# Altium PCB ARDUINO_PCB.PcbDoc (continued)
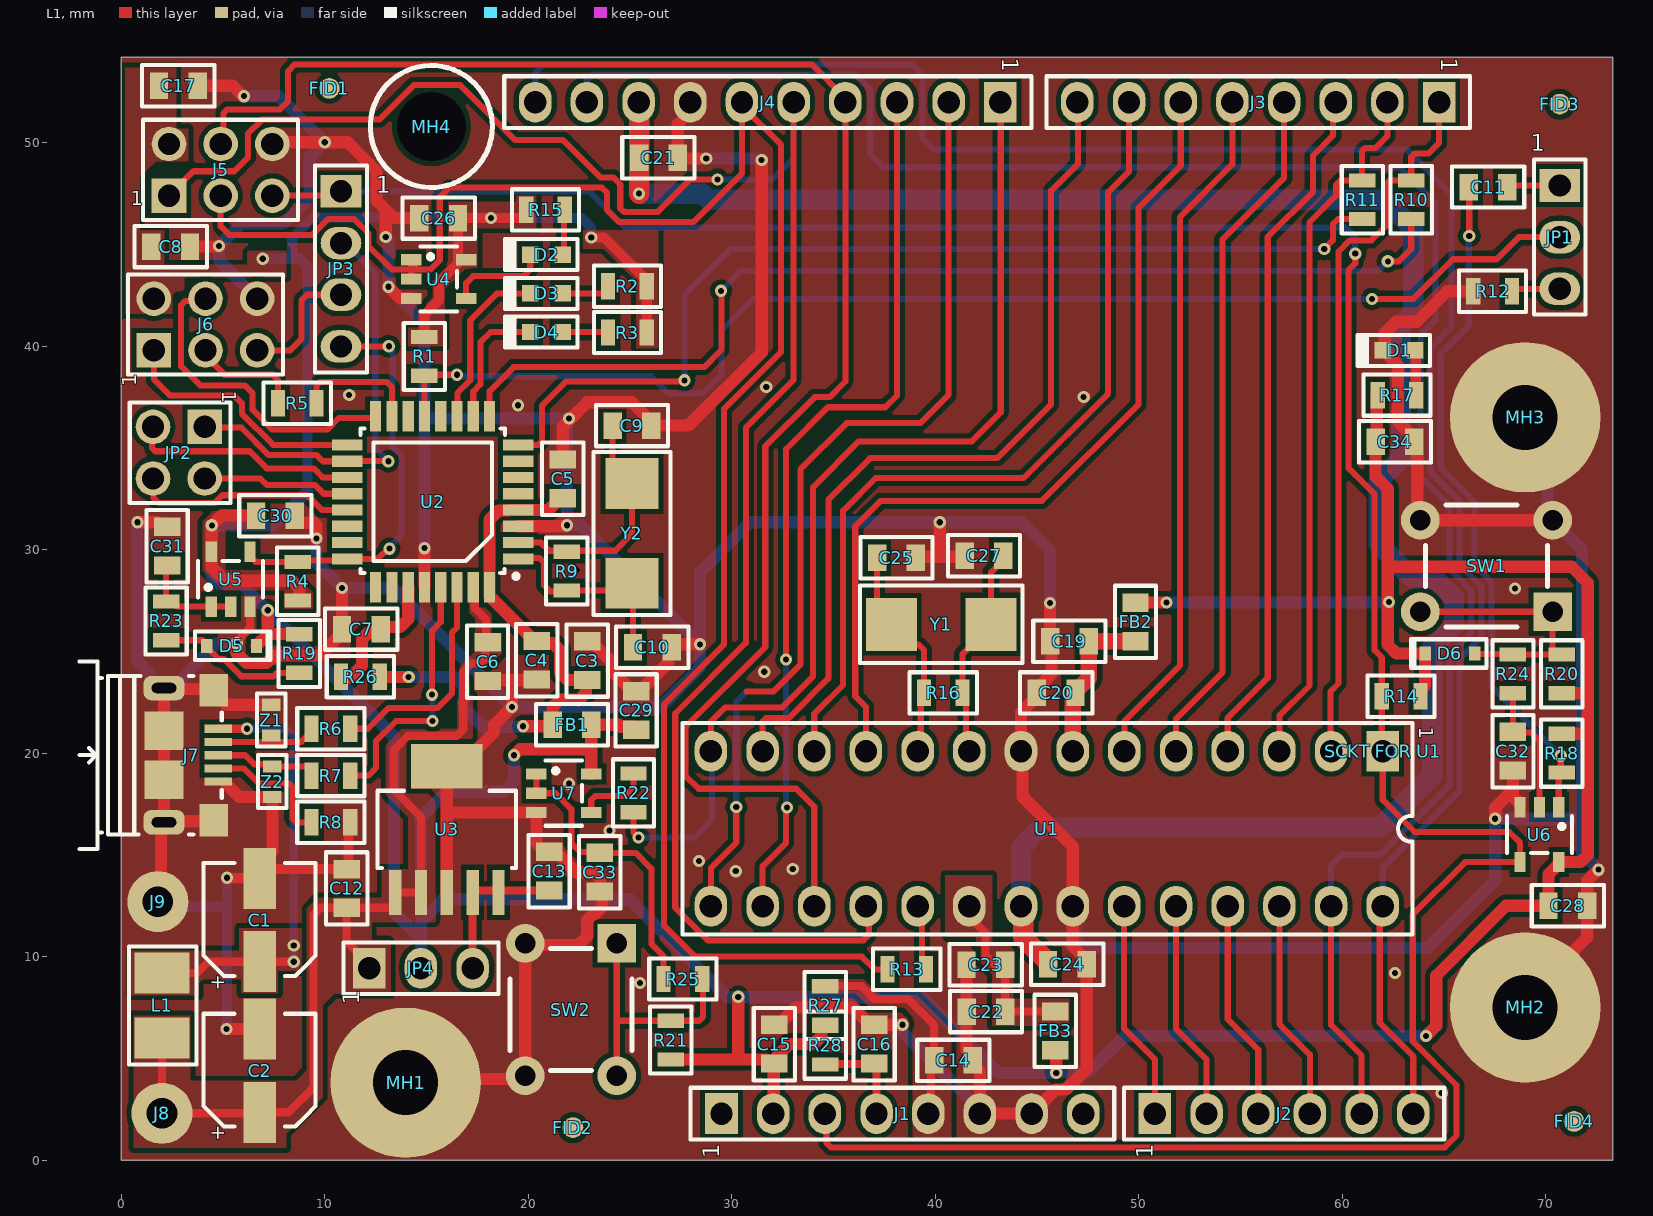
[diagram p0: L1 view]
## Part data (continued)

## Via types
v1: diameter 0.6, hole 0.3, L1 to L2, 44 vias
v2: diameter 0.6/0.6 (per signal layer), hole 0.3, L1 to L2, 29 vias
v3: diameter 0.3/0.6 (per signal layer), hole 0.3, L1 to L2, 1 vias

## Nets (pads, with @x,y where several pads share a name; then routed paths per layer and width w, separated by ;. In a path a pad name is that pad's centre, name@x,y a point inside that pad or via, vN(x,y) a via of type N, cw(c..) or ccw(c..) an arc to the next point about the centre after c; other vN are vias at no path point)
16U2_16MHz_XTAL1: C10.2 R9.1 U2.1 Y2.1 | length 10.3
  L1 w0.3: U2.1 19.55,29.6 20.55,29.6 20.782,29.368 20.782,28.243 21.075,27.95 21.85,27.95 R9.1 24.75,28 Y2.1 25.15,28.3 C10.2
16U2_16MHz_XTAL2: C9.2 R9.2 U2.2 Y2.2 | length 11.9
  L1 w0.3: U2.2 20.625,30.35 21.025,29.95 21.85,29.95 R9.2 21.95,29.95 24.275,29.95 25.1,30.775 Y2.2 24.15,34.2 C9.2
16U2_BUF_RESETn: C31.2 R23.2 U5.1 U5.2 | length 5.1
  L1 w0.3: C31.2 2.2,29.175 R23.2 2.5,27.45 2.75,27.2 U5.1 U5.2
16U2_HDR_RESETn: J6.5 JP3.3 | length 6.4
  L1 w0.3: J6.5 8.3,39.8 8.85,40.35 8.85,42.25 9.13,42.53 JP3.3
16U2_MISO: J6.1 U2.17 | length 12.6
  L1 w0.3: J6.1 1.6,38.375 2.4,37.575 5.55,37.575 5.925,37.2 5.925,36.689 7.464,35.15 U2.17
16U2_MOSI: J6.4 U2.16 | length 15.9
  L1 w0.3: J6.4 4.025,42.225 3.15,42.225 2.94,42.015 2.94,39.01 3.875,38.075 6.075,38.075 6.45,37.7 6.45,36.871 7.421,35.9 10.125,35.9 10.7,36.475 12.425,36.475 U2.16
16U2_PB4: JP2.1 JP3.2 U2.18 | length 21.5
  L1 w0.3: JP2.1 4.14,36 5.907,36 7.257,34.65 9.6,34.65 9.9,34.35 U2.18 11.112,34.363 13.112,34.363 v1(13.125,34.35)
  L2 w0.3: JP3.2 11,45.07 12.484,43.586 12.484,34.991 v1(13.125,34.35)
16U2_PB5: JP2.3 U2.19 | length 11.3
  L1 w0.3: JP2.3 1.5,35.98 1.5,35.016 1.676,34.84 6.31,34.84 7.15,34 9.45,34 9.9,33.55 U2.19
16U2_PB6: JP2.2 U2.20 | length 7.3
  L1 w0.3: JP2.2 6.839,33.5 7.164,33.175 9.525,33.175 9.95,32.75 U2.20
16U2_PB7: JP2.4 U2.21 | length 11
  L1 w0.3: JP2.4 1.575,33.485 1.575,32.55 1.825,32.3 4.597,32.3 4.972,32.675 9.15,32.675 9.875,31.95 U2.21
16U2_RESETn: JP3.4 R4.1 U2.24 U5.4 | length 20.3
  L1 w0.3: U5.4 6.325,29.675 6.6,29.4 R4.1 8.75,29.475 11.025,29.475 U2.24 12.614,29.55 13.114,30.05 v1(13.175,30.05) ; JP3.4 13.14,39.99 v1(13.15,40)
  L2 w0.3: v1(13.15,40) 13.15,39.919 13.325,39.744 13.325,35.069 13.775,34.619 13.775,30.731 13.175,30.131 v1(13.175,30.05)
16U2_RX_LED: D4.1 U2.10 | length 6.5
  L1 w0.3: U2.10 17.3,37.774 17.65,38.124 17.65,40.2 18.15,40.7 D4.1
16U2_RXD: R11.1 U2.8 | length 50.1
  L1 w0.3: U2.8 20.499,35.15 20.675,35.326 20.675,37.075 21.875,38.275 27.625,38.275 v1(27.675,38.325) ; v1(59.125,44.775) 59.55,45.2 59.55,46 59.8,46.25 R11.1
  L2 w0.3: v1(27.675,38.325) 27.675,42.525 29.925,44.775 v1(59.125,44.775)
16U2_SCLK: J6.3 R5.2 | length 5.5
  L1 w0.3: J6.3 4.14,39.535 5.075,38.6 7.45,38.6 7.7,38.35 R5.2
16U2_SCLK_R: R5.1 U2.15 | length 6.2
  L1 w0.3: R5.1 9.6,38.074 9.776,38.25 13.05,38.25 13.174,38.126 13.3,38 U2.15
16U2_TX_LED: D3.1 U2.11 | length 8.5
  L1 w0.3: U2.11 16.525,36.575 16.525,37.706 17.15,38.331 17.15,41.28 18.47,42.6 D3.1
16U2_TXD: R10.1 U2.9 | length 52.6
  L1 w0.3: U2.9 18.1,37.787 19.288,38.975 28.644,38.975 29.5,39.831 29.5,42.7 v1(29.475,42.725) ; v1(62.25,44.175) 62.787,44.175 63.4,44.787 R10.1
  L2 w0.3: v1(29.475,42.725) 30.45,43.7 61.775,43.7 v1(62.25,44.175)
16U2PROG_328P_RESETn: JP1.2 R1.1 U2.13 | length 62.7
  L1 w0.3: U2.13 R1.1 14.95,38.6 v1(16.5,38.6) ; v1(61.475,42.325) 63.503,42.325 65.453,44.275 67.6,44.275 68.685,45.36 JP1.2
  L2 w0.3: v1(16.5,38.6) 16.575,38.525 26.025,38.525 26.875,37.675 28.575,37.675 29.5,38.6 29.5,40.775 31.05,42.325 v1(61.475,42.325)
328P_16MHz_XTAL1: C27.2 R16.1 U1.9 Y1.1 | length 10.6
  L1 w0.3: U1.9 41.515,20.265 41.515,22.795 R16.1 41.35,24.881 42.75,26.281 Y1.1 42.75,28.9 43.35,29.5 C27.2
328P_16MHz_XTAL2: C25.2 R16.2 U1.10 Y1.2 | length 10.8
  L1 w0.3: C25.2 37.15,27.031 Y1.2 38.831,25.35 39.175,25.35 39.45,25.075 R16.2 39.295,22.805 39.295,20.255 U1.10
328P_AUTORESETn: C11.1 R18.1 U6.1 | length 33.6
  L1 w0.3: C11.1 66.25,47.8 v1(66.25,45.425) ; U6.1 70.65,18.9 R18.1 70.75,19.1 v1(70.75,19.875)
  L2 w0.3: v1(66.25,45.425) 66.225,45.4 66.225,41 64.85,39.625 64.85,34.014 66.5,32.364 66.5,29.25 67.35,28.4 67.35,23.275 v1(70.75,19.875)
328P_BUF_RESETn: C32.2 R24.2 U6.2 | length 6.6
  L1 w0.3: R24.2 C32.2 68.425,21.025 69.275,21.025 69.7,20.6 U6.2
328P_RESETn: J1.3 J5.5 JP3.1 R14.1 U1.1 U6.4 | length 142.2
  L1 w0.3: J5.5 10.59,47.4 JP3.1 ; J1.3 34.664,2.202 34.664,0.836 34.875,0.625 65.05,0.625 65.625,1.2 65.625,3.681 63.475,5.831 63.475,12.075 66.05,14.65 U6.4 68.75,15.6 68.225,16.125 63.575,16.125 62,17.7 U1.1 61.95,20.15 R14.1 61.95,24.706 61.6,25.056 61.6,32.725 60.65,33.675 60.325,34 60.325,43.75 60.65,44.075 v1(60.65,44.55)
  L2 w0.3: JP3.1 22.99,47.61 24.775,45.825 60.175,45.825 60.625,45.375 60.625,44.575 v1(60.65,44.55)
+3V3: C13.2 C16.2 J1.4 JP4.3 R28.2 U3.4 U3.5 | length 12.5
  L1 w0.4: JP4.3 17.268,9.428 17.268,13.152 U3.4 17.366,13.25 C13.2 ; R28.2 34.625,4.725 36.975,4.725 C16.2 37.12,4.63 J1.4
+3V3_16U2_UCAP: C7.2 R26.1 U2.27 | length 6.9
  L1 w0.6: R26.1 10.825,23.725 11.249,23.725 11.825,24.301 11.825,25.599 12.176,25.95 12.6,25.95 C7.2 12.75,26.05 12.9,26.2 13.7,26.2 14.1,26.6 U2.27
+5V: C2.1 C6.2 C12.2 C14.2 J1.5 J8.1 JP4.1 L1.2 R27.1 U2.31 U3.1 U3.2 | length 59.7
  L1 w0.4: L1.2 J8.1 6.75,2.3 C2.1 8.225,2.35 9.45,3.575 9.45,12.05 9.802,12.402 C12.2 ; JP4.1 12.185,9.625 11.075,10.735 C12.2 ; U2.31 17.375,28.075 17.375,27.125 17.925,26.575 17.925,25.375 17.875,25.325 17.875,24.634 17.641,24.4 17.184,24.4 16.807,24.023 16.807,21.171 16.491,20.854 14.084,20.854 13.742,20.512 13.742,20.508 13.4,20.166 13.4,18.2 14.73,16.87 U3.2 U3.1 13.46,12.502 13.36,12.402 C12.2 ; R27.1 36.375,8.55 37,7.925 38.675,7.925 39.95,6.65 C14.2 39.805,4.755 39.805,2.431 J1.5
+5V/3V3: C8.2 C15.2 C17.2 C26.2 C28.2 C29.2 C30.2 C34.2 D5.1 D6.1 FB1.1 FB2.1 FB3.1 J1.2 J5.2 J6.2 JP4.2 R1.2 R2.2 R3.2 R4.2 R14.2 R15.2 R17.2 R18.2 R19.2 R20.2 R21.2 R27.2 R28.1 U4.5 U5.5 U6.5 U7.5 | length 252.9
  L1 w0.5: R1.2 14.9,41.55 15.612,42.262 15.612,43.138 U4.5@16.55,44.075 ; U4.5 16.725,44.25 U4.5@16.55,44.075 ; R15.2 19.9,46.4 19.8,46.3 v2(18.175,46.3) C26.2 U4.5@16.55,44.075 ; v1(23.1,45.35) 23.725,45.35 25.825,43.25 R2.2 R3.2
  L1 w0.6: C30.2 4.926,31.675 v2(4.45,31.199) 4.45,29.925 U5.5 4.45,29.875 4.45,29.15 5.125,28.475 8.399,28.475 8.75,28.124 8.75,27.55 8.7,27.5 R4.2 ; D5.1 6.644,25.297 7.197,25.85 ; v1(7.2,27.025) 7.2,25.853 7.197,25.85 ; R19.2 7.197,25.85 ; v1(19.3,19.9) 19.591,20.191 23.1,20.191 ; U7.5 23.1,20.191 ; C29.2 25.15,21.3 24.55,21.3 24.45,21.4 FB1.1 23.1,20.191 ; R21.2 30.275,4.95 ; v1(30.325,8.025) 30.325,5 30.275,4.95 ; C15.2@32.03,4.82 31.93,4.72 31.7,4.95 30.275,4.95 ; J1.2 32.07,2.316 C15.2@32.07,4.72 ; C15.2 32.2,4.85 32.2,5.074 32.826,5.7 34.024,5.7 34.4,6.076 34.4,6.6 34.45,6.65 R27.2 ; FB3.1 45.824,5.324 45.95,5.198 v1(45.95,4.275) ; FB2.1 v1(51.375,27.4) ; R17.2 61.7,37.55 61.7,35.35 C34.2 61.65,33.594 62.25,32.994 62.25,29.16 ; R14.2 63.85,23.1 64.081,23.331 D6.1 62.675,24.9 62.25,25.325 62.25,29.16 ; v1(64.125,6.1) 64.625,6.6 64.625,9.065 68.06,12.5 C28.2 70.15,14.05 70.55,14.45 70.625,14.45 70.65,14.475 U6.5 71.724,14.65 72.075,15.001 72.075,20.925 ; R18.2 72.05,20.95 72.075,20.925 ; R20.2 72,22.95 72.075,23.025 ; 62.25,29.16 71.285,29.16 72.075,28.369 72.075,23.025 ; 72.075,20.925 72.075,23.025
  L2 w0.5: v1(6.95,44.3) 8.4,44.3 ; 9.15,32.875 9.15,43.925 8.775,44.3 8.4,44.3 ; v2(18.175,46.3) 18.225,46.3 22.625,46.3 23.081,45.844 23.081,45.369 v1(23.1,45.35) ; v2@18.205,46.32 9.4,46.32 8.4,45.32 8.4,44.3
  L2 w0.6: 9.15,32.875 7.474,31.199 v2(4.45,31.199) 4.45,28.676 4.801,28.325 5.9,28.325 v1(7.2,27.025) 13.4,20.825 13.4,12.2 14.725,10.875 ; JP4.2 14.725,9.851 14.725,10.875 ; v1(19.3,19.9) 19.3,18.625 18.775,18.1 15.975,18.1 14.725,16.85 14.725,11.725 ; v1@30.325,8 39.375,8 43.1,4.275 v1(45.95,4.275) ; v1(30.325,8.025) 30.3,8 29.8,8 24.975,12.825 15.825,12.825 14.725,11.725 ; v1@46,4.325 47.55,4.325 49.325,6.1 v1(64.125,6.1) ; v1(51.375,27.4) 62.275,27.4 v1(62.3,27.425) ; 14.725,10.875 14.725,11.725
+5V/3V3_16U2: C3.2 C4.2 C5.2 FB1.2 R26.2 U2.4 U2.32 | length 28.7
  L1 w0.6: R26.2 v1(14.125,23.75) ; v1(19.75,21.325) 21.125,21.325 FB1.2 21.2,22.274 21.551,22.625 22.449,22.625 22.474,22.6 22.825,22.951 22.825,23.525 C3.2 21.915,23.6 21.564,23.951 21.564,25.049 21.212,25.4 20.531,25.4 C4.2 20.214,25.518 20.064,25.668 20.064,25.761 18.1,27.725 U2.32 18.1,31.482 18.543,31.925 19.05,31.925 19.075,31.95 20.999,31.95 21.35,32.301 21.35,32.383 21.5,32.533 C5.2
  L2 w0.6: v1(14.125,23.75) 16.375,23.75 16.85,23.275 16.85,22.225 17.775,21.3 19.725,21.3 v1(19.75,21.325)
+5V/3V3_328P_AVCC: C22.2 C23.2 FB3.2 U1.20 | length 8.7
  L1 w0.4: U1.20 41.68,11.955 42.475,11.16 42.475,10.059 42.984,9.55 43.39,9.55 C23.2 43.445,9.595 43.445,7.305 C22.2 FB3.2
+5V/3V3_328P_VCC: C19.2 C20.2 FB2.2 U1.7 | length 8.1
  L1 w0.8: U1.7 46.76,22.62 46.9,22.76 C20.2 46.9,23.16 46.95,23.21 47.081,23.21 47.55,23.679 C19.2 FB2.2
+5V_USB: C1.1 J7.1 L1.1 | length 21.6
  L1 w0.4: L1.1 3.725,9.2 4.275,9.75 C1.1 v1(8.475,9.75) ; J7.1 5.95,21.2 v2(6.175,21.2)
  L2 w0.4: v2(6.175,21.2) 8.125,21.2 8.475,20.85 v2(8.475,10.55) v1(8.475,9.75)
+AREF: C21.2 C24.2 J4.8 U1.21 | length 101.4
  L1 w1: J4.8@25.413,51.988 25.45,51.95 C21.2 v1(25.45,47.5) ; U1.21 44.335,12.365 44.335,10.935 45.55,9.72 C24.2
  L2 w1: v1(25.45,47.5) 28.586,47.5 28.886,47.2 62.075,47.2 63.5,45.775 63.5,41.625 62.9,41.025 62.9,34.5 61.8,33.4 61.8,30.26 63.46,28.6 64.533,28.6 65.5,27.633 65.5,26.267 64.425,25.192 64.425,18.902 61.873,16.35 45.2,16.35 44.22,15.37 U1.21
AD0: J2.1 U1.23 | length 10.8
  L1 w0.3: U1.23 49.275,12.455 49.275,6.475 50.8,4.95 J2.1
AD1: J2.2 U1.24 | length 10.8
  L1 w0.3: U1.24 51.84,6.435 53.34,4.935 J2.2
AD2: J2.3 U1.25 | length 10.8
  L1 w0.3: U1.25 54.38,6.92 55.88,5.42 J2.3
AD3: J2.4 U1.26 | length 10.8
  L1 w0.3: U1.26 56.92,6.68 58.42,5.18 J2.4
"AD4 / SDA": J2.5 J4.9 U1.27 | length 98.1
  L1 w0.3: U1.27 59.46,6.64 60.96,5.14 J2.5
  L2 w0.3: J4.9 22.875,52.01 22.875,53.075 23.15,53.35 36.075,53.35 36.174,53.251 36.812,52.613 36.812,49.438 37.45,48.8 62.825,48.8 64.6,47.025 64.6,41.3 63.85,40.55 63.85,33.6 65.275,32.175 65.275,29.061 65.675,28.661 66.35,27.986 66.35,25.914 65.675,25.239 65.275,24.839 65.275,18.425 61.875,15.025 60.001,15.025 59.46,14.484 U1.27
"AD5 / SCI": J2.6 J4.10 U1.28 | length 100.5
  L1 w0.3: U1.28 61.85,12.33 61.85,6.749 63.5,5.099 J2.6
  L2 w0.3: J4.10 20.345,53.45 20.745,53.85 38.85,53.85 39.375,53.325 39.375,50.225 39.925,49.675 63.175,49.675 65.375,47.475 65.375,40.95 64.35,39.925 64.35,33.807 65.775,32.382 65.775,29.268 66.85,28.193 66.85,25.707 65.775,24.632 65.775,18.15 62,14.375 U1.28
BUTTON_RESETn: D6.2 R20.1 R24.1 SW1.1 SW1.2 | length 13
  L1 w0.3: SW1.2 SW1.1 70.35,25.05 R20.1@70.55,24.85 ; D6.2 66.544,24.875 68.375,24.875 R24.1 R20.1@70.55,24.85 ; R20.1 R20.1@70.55,24.85
CON_USB_N: J7.2 R6.1 Z1.2 | length 4.9
  L1 w0.3: J7.2 8.85,20.55 9.35,21.05 R6.1
CON_USB_P: J7.3 R7.1 Z2.2 | length 5.3
  L1 w0.3: J7.3 6.082,19.9 6.525,19.457 Z2.2@7.093,19.457 ; Z2.2@7.2,19.35 Z2.2@7.093,19.457 ; R7.1 9.35,19.15 9.15,19.35 Z2.2 7.318,19.457 Z2.2@7.093,19.457
GND: C1.2 C2.2 C3.1 C4.1 C5.1 C6.1 C7.1 C8.1 C9.1 C10.1 C12.1 C13.1 C14.1 C15.1 C16.1 C17.1 C19.1 C20.1 C21.1 C22.1 C23.1 C24.1 C25.1 C26.1 C27.1 C28.1 C29.1 C30.1 C31.1 C32.1 C33.1 C34.1 D1.1 J1.6 J1.7 J4.7 J5.6 J6.6 J7.5 J7.6 J7.7 J7.8 J7.9 J7.10 J7.11 J9.1 MH1.1 MH2.1 MH3.1 R8.2 R12.1 SW1.3 SW1.4 SW2.3 SW2.4 U1.8 U1.22 U2.3 U2.28 U3.3 U3.6 U4.3 U5.3 U6.3 U7.3 Z1.1 Z2.1 | length 426.3
  L1 w0.4: v2(5.675,25.4) 5.713,25.438 5.713,25.532 6.325,26.144 U5.3
  L1 w0.5: J7.7@4.5,16.65 J7.7 J7.7@4.663,16.812 ; v2(5.2,13.875) 5.225,13.85 C1.2 7.252,14.302 C12.1 11.162,14.389 11.162,16.512 R8.2
  L1 w0.6: v2(0.8,31.35) 1.775,31.35 2.125,31 C31.1 ; J9.1 1.95,12.85 1.95,16.45 J7.9 ; C8.1 4.775,44.9 v1(4.8,44.925) ; C17.1 5.475,52.8 5.985,52.29 v1(6.025,52.29) ; J7.7@4.5,16.65 2.15,16.65 J7.9 ; J7.5@5.15,18.5 5.8,17.85 Z2.1 7.425,15.175 6.8,14.55 C1.2 ; v2(5.175,6.45) C2.2 ; v2(5.675,25.4) 5.675,24.915 6.158,24.432 7.131,24.432 7.499,24.8 9.75,24.8 10.85,25.9 C7.1 v2(10.85,28.125) ; Z1.1 5.175,22.375 4.55,23 J7.6 4.5,23.15 2.15,23.15 J7.8 J7.10 J7.11 J7.9 ; J5.6 7.51,50.025 v1(10,50.025) 11.125,50.025 12.55,48.6 12.55,47.15 13,46.7 ; C30.1 8.525,31.475 8.675,31.325 9.475,31.325 9.6,31.2 v2(9.6,30.55) ; v1(13,45.375) 13,46.7 ; v1(13.134,42.925) 13.684,42.375 14.225,42.375 U4.3 ; MH1.1 14.14,3.98 19.68,3.98 SW2.4 SW2.3 19.925,10.575 22.474,10.575 22.9,11.001 22.9,11.807 23.193,12.1 23.299,12.1 23.65,12.451 23.65,13.061 C33.1 23.55,13.239 23.55,13.799 23.199,14.15 22.361,14.15 21.511,15 21.175,15 C13.1 20.825,15.15 20.4,15.575 U7.3 16.107,17.082 16,16.975 ; C26.1 13.4,46.3 13,46.7 ; U2.28 v2(14.9,30.075) ; U3.3 16,16.975 ; C6.1 18.034,23.584 19.207,23.584 ; U2.3 21.85,31.15 v1(21.9,31.2) ; C4.1 20.38,23.584 19.207,23.584 ; C5.1 21.7,36.05 22.05,36.4 22.9,37.25 25.1,37.25 26.05,36.3 C9.1 27.881,36.1 31.475,39.694 v1(31.475,49.15) ; C3.1 23.1,25.5 24.1,24.5 24.1,24.05 25.1,23.05 C29.1 25.5,23.05 26.9,24.45 26.9,25.05 C10.1 27.2,25.35 v1(28.45,25.35) ; J4.7 27.965,51.529 27.35,50.914 C21.1 27.385,49.225 v1(28.75,49.225) ; C15.1 32.3,6.65 33.15,7.5 35.95,7.5 36.8,6.65 C16.1 v2(38.4,6.65) v2@38.425,6.675 ; C25.1 39.1,29.65 40.25,29.65 ; v1(40.225,31.35) 40.225,29.675 40.25,29.65 ; C27.1 41.4,29.65 40.25,29.65 ; C23.1 41.54,5.41 41.85,5.1 C14.1 41.85,4.7 42.2,4.35 J1.6 J1.7 45.929,3.475 46.431,3.475 46.742,3.786 46.761,3.786 47.45,4.475 C24.1 47.45,9.82 46.76,10.51 U1.22 46.76,15.415 44.3,17.875 44.3,20.02 U1.8 44.22,22 44.83,22.61 44.85,22.61 45,22.76 C20.1 45,23.16 45.725,23.885 45.725,25.425 C19.1 v1(45.65,27.375) ; R12.1 65.175,42.7 63.675,41.2 62.65,41.2 62.1,40.65 62.1,39.9 D1.1 62.75,39.05 62.75,36.3 63.55,35.5 C34.1 63.575,35.325 63.575,35.475 63.7,35.35 63.7,31.6 SW1.4 SW1.3 ; v2(67.525,16.775) 67.525,17.325 68.4,18.2 ; C32.1 68.4,18.2 ; U6.3 68.75,17.525 68.4,17.875 68.4,18.2 ; MH2.1 69,7.9 72.05,10.95 C28.1 72.05,13.725 v2(72.6,14.275) ; 16,16.975 U3.6 16.65,19.354 18.325,21.029 18.325,21.4 v2(19.2,22.275) 19.207,22.282 19.207,23.584
  L2 w0.5: J9.1@1.852,12.752 J9.1 2.05,12.45 5.188,12.45 ; v2(5.175,6.45) 5.188,6.462 5.188,12.45 ; v2(5.2,13.875) 5.188,13.862 5.188,12.45
  L2 w0.6: v2(0.8,31.35) 0.775,31.375 0.775,24.525 1.437,23.863 1.437,23.495 1.732,23.2 J7.8 2.5,23.2 4.7,25.4 v2(5.675,25.4) ; v1(6.025,52.29) 7.735,52.29 v1(10,50.025) 9.25,49.275 9.25,47.316 7.984,46.05 5.925,46.05 v1(4.8,44.925) 4.8,44.22 J6.6 ; v2(9.6,30.55) 9.6,29.375 v2(10.85,28.125) 13.35,28.125 v2(19.2,22.275) 26.5,22.275 28.45,24.225 v1(28.45,25.35) ; v1(13,45.375) 13.134,45.241 v1(13.134,42.925) 14.9,41.159 14.9,36.475 ; v2(14.9,30.075) 14.9,36.475 ; v1(28.75,49.225) 31.4,49.225 v1(31.475,49.15) ; v2(38.4,6.65) 38.4,6.286 42.2,2.486 J1.6 ; v1(45.65,27.375) 45.65,29.95 44.25,31.35 v1(40.225,31.35) 30.9,31.35 28.45,28.9 v1(28.45,25.35) ; U1.22 46.949,12.291 46.949,10.776 47.3,10.425 64.2,10.425 67.525,13.75 v2(67.525,16.775) 71.725,16.775 71.8,16.85 ; MH3.1 70.101,35.399 70.101,31.699 SW1.3 71.8,30 71.8,16.85 ; v2(72.6,14.275) 71.8,15.075 71.8,16.85 ; 14.9,36.475 14.925,36.45 v2(22,36.45) 21.9,36.35 v1(21.9,31.2) 22.6,31.2 v1(28.45,25.35)
  other v2: 64.9,3.3 25.5,8.7 62.6,9.2 30.2,14.2 33,14.3 28.4,14.7 24,16.2 22,18.5 31.6,24 68.5,28.1 19.5,37.1 11.2,37.6 31.7,38
  other v3: 22.4,29
IO0: J3.1 R10.2 U1.2 | length 35.8
  L1 w0.3: U1.2 59.425,20.135 59.425,23.025 59.825,23.425 59.825,44.644 60.381,45.2 61.445,45.2 62.175,45.93 62.175,47.974 62.351,48.15 R10.2 63.4,49.299 63.576,49.475 64.25,49.475 64.77,49.995 J3.1
IO1: J3.2 R11.2 U1.3 | length 35
  L1 w0.3: U1.3 56.92,21.845 58.4,23.325 58.4,46.091 59.7,47.391 59.7,47.925 59.925,48.15 60.95,48.15 60.975,48.175 60.975,49.574 61.151,49.75 61.65,49.75 62.23,50.33 J3.2
IO2: J3.3 U1.4 | length 34.1
  L1 w0.3: U1.4 54.38,21.73 56.35,23.7 56.35,45.375 58.575,47.6 58.575,49.375 59.55,50.35 59.55,51.86 J3.3
IO3: J3.4 U1.5 | length 34.1
  L1 w0.3: U1.5 51.84,21.69 54.125,23.975 54.125,45.25 57.15,48.275 J3.4
IO4: J3.5 U1.6 | length 34.1
  L1 w0.3: U1.6 49.3,21.575 52.025,24.3 52.025,46.35 54.61,48.935 J3.5
IO5: J3.6 U1.11 | length 43.4
  L1 w0.3: U1.11 36.6,22.275 36.075,22.8 36.075,31.15 37.325,32.4 45.25,32.4 50,37.15 50,46.8 52.07,48.87 J3.6
IO6: J3.7 U1.12 | length 42.6
  L1 w0.3: U1.12 34.06,21.935 35.475,23.35 35.475,31.925 37.075,33.525 44.35,33.525 48.5,37.675 48.5,47.575 49.53,48.605 J3.7
IO7: J3.8 U1.13 | length 42.6
  L1 w0.3: U1.13 31.52,21.549 31.696,21.725 32.8,21.725 34.75,23.675 34.75,32.45 36.8,34.5 43.05,34.5 45.7,37.15 45.7,47.65 47.025,48.975 47.025,51.965 J3.8
IO8: J4.1 R22.2 U1.14 | length 51.4
  L1 w0.3: R22.2 25.175,16.1 v1(25.425,15.85) ; U1.14 28.98,21.55 29.683,22.253 32.478,22.253 34,23.775 34,33.075 36.25,35.325 41.8,35.325 43.225,36.75 43.225,51.98 J4.1
  L2 w0.3: v1(25.425,15.85) 28.15,15.85 29.025,16.725 29.025,20.055 U1.14
IO9: J4.2 U1.15 | length 47.3
  L1 w0.3: U1.15 28.98,14.355 30.225,15.6 v1(30.225,17.35) ; 30.725,23.025 32.05,23.025 33.375,24.35 33.375,33.95 35.65,36.225 39.275,36.225 40.665,37.615 J4.2
  L2 w0.3: v1(30.225,17.35) 30.225,22.525 30.725,23.025
  other v1: 47.3,37.5
MISO: J4.5 J5.1 U1.18 | length 94.5
  L1 w0.3: J5.1 3.545,48.6 5.55,48.6 6.225,49.275 6.225,50.437 6.928,51.14 12.681,51.14 14.391,52.85 16.638,52.85 19.356,50.131 21.719,50.131 23.55,48.3 24.174,48.3 24.525,47.949 24.525,46.776 24.701,46.6 26.375,46.6 27.975,48.2 v1(29.3,48.2) ; J4.5 33.045,38.345 30.7,36 30.7,25.425 27.225,21.95 27.225,12.409 28.834,10.8 36.475,10.8 36.75,11.075 36.75,12.33 U1.18
  L2 w0.3: v1(29.3,48.2) 32,48.2 33.045,49.245 J4.5
MOSI: J4.4 J5.4 U1.17 | length 83.5
  L1 w0.3: J5.4 5.025,50.08 5.025,51.464 5.201,51.64 7.79,51.64 8.2,52.05 8.2,53.525 8.525,53.85 33.935,53.85 35.585,52.2 J4.4 35.585,38.268 34.817,37.5 34.075,37.5 31.65,35.075 31.65,25.211 27.725,21.286 27.725,18.9 28.375,18.25 33.175,18.25 34.06,17.365 U1.17
NetC11_2: C11.2 JP1.1 | length 2.6
  L1 w0.3: C11.2 68.2,47.9 JP1.1
NetD1_2: D1.2 R17.1 | length 2.2
  L1 w0.5: D1.2 63.625,39.775 63.625,37.625 R17.1
NetD2_1: D2.1 U4.4 | length 4.9
  L1 w0.3: U4.4 16.95,43.1 17.3,43.45 19.775,43.45 20.1,43.775 D2.1
NetD2_2: D2.2 R15.1 | length 2.2
  L1 w0.3: D2.2 21.75,44.55 21.75,46.65 R15.1
NetD3_2: D3.2 R2.1 | length 2.5
  L1 w0.3: D3.2 23.725,42.6 23.925,42.8 R2.1
NetD4_2: D4.2 R3.1 | length 2.2
  L1 w0.3: D4.2 23.9,40.7 R3.1
NetD5_2: D5.2 R19.1 R23.1 | length 7.5
  L1 w0.3: R23.1 3.994,25.55 4.106,25.438 D5.2@4.106,25.175 ; D5.2 4.206,25.211 4.802,24.615 5.056,24.615 5.888,23.782 7.482,23.782 7.65,23.95 R19.1
NetJ7_4: J7.4 R8.1 | length 6.6
  L1 w0.3: J7.4 6.025,19.25 6.775,18.5 8.249,18.5 8.425,18.324 8.425,16.776 8.601,16.6 R8.1
NetJP1_3: JP1.3 R12.2 | length 2.4
  L1 w0.3: R12.2 68.47,42.82 JP1.3
NetR22_1: R22.1 U7.4 | length 3.6
  L1 w0.3: U7.4 23.1,17.7 23.287,17.887 24.737,17.887 25.175,18.325 R22.1
SCK: J4.6 J5.3 R13.2 U4.1 U4.2 | length 94.7
  L1 w0.3: J5.3 4.885,45.89 5.3,45.475 9.371,45.475 9.375,45.471 10.124,46.22 10.145,46.22 10.175,46.25 11.446,46.25 12.15,45.546 12.15,44.925 13.3,43.775 14.25,43.775 ; U4.2 14.25,43.775 ; U4.1 14.25,43.775 ; 14.426,43.875 U4.1@14.426,44.125 ; J4.6@30.505,51.8 30.505,48.486 28.119,46.1 24.469,46.1 23.875,46.694 23.875,47.55 23.625,47.8 16.125,47.8 15.65,47.325 15.65,44.225 15.2,43.775 14.426,43.775 14.25,43.775 ; J4.6 30.505,51.82 32.425,49.9 32.425,39.725 29.625,36.925 29.625,25.35 26.675,22.4 26.675,11.525 28.2,10 36.4,10 37.025,9.375 R13.2
SCK_R: R13.1 U1.19 | length 3.3
  L1 w0.3: U1.19 39.356,12.264 39.356,9.575 R13.1
SS: J4.3 U1.16 | length 44
  L1 w0.3: U1.16 31.52,14.445 32.675,15.6 32.675,17.275 v1(32.725,17.325) ; v1(32.675,24.6) 32.675,34.95 34.725,37 37.55,37 38.125,37.575 J4.3
  L2 w0.3: v1(32.675,24.6) 32.675,17.375 v1(32.725,17.325)
USB_N: R6.2 U2.30 | length 11
  L1 w0.3: R6.2 12.125,21.2 13.151,22.226 15.545,22.226 16.257,22.938 16.257,25.932 16.5,26.175 U2.30
USB_P: R7.2 U2.29 | length 12.7
  L1 w0.3: R7.2 12.15,18.9 12.513,19.263 12.513,20.588 13.501,21.576 v1(15.301,21.576) ; v1(15.276,22.876) 15.276,26.026 15.7,26.45 U2.29
  L2 w0.3: v1(15.276,22.876) 15.301,22.851 v1(15.301,21.576)
USER_BUTTON: R21.1 R25.1 SW2.1 SW2.2 | length 12.8
  L1 w0.3: SW2.2 24.35,7 ; SW2.1 24.35,7 ; R25.1 28.6,8.85 28.6,7.05 28.4,6.85 R21.1 24.5,6.85 24.35,7
USER_BUTTON_BUF: C33.2 R25.2 U7.1 U7.2 | length 14.8
  L1 w0.3: U7.1 U7.2 21.343,18.032 22.125,17.25 22.125,15.575 22.55,15.15 23.461,15.15 C33.2 25.275,15.1 26.05,14.325 26.05,10.625 26.65,10.025 R25.2
pads on no net: FID1.1 FID2.1 FID3.1 FID4.1 J1.1 J1.8 MH4.1 U2.5 U2.6 U2.7 U2.12 U2.14 U2.22 U2.23 U2.25 U2.26

## Polygon pours and split planes (outlines as drawn)
GND on L2 "GND_L02_P045" (solid, remove dead copper, pour order 45): 0,54.2 73.3,54.2 73.3,0 0,0
+5V/3V3 on L2 "+5V/3V3_L02_P039" (solid, remove dead copper, pour order 39): 50.9,28.2 50.9,26.7 62.7,26.7 62.7,28.1 62.6,28.2
+5V/3V3 on L2 "+5V/3V3_L02_P038" (solid, remove dead copper, pour order 38): 23.3,46.6 23.3,45.1 22.5,45.1 22.5,45.9 9.5,45.9 9.5,32.1 7.8,30.4 7.8,28.2 15.2,20.8 19.9,20.8 19.9,14.8 24.9,14.8 30.3,9.4 42,9.4 42,6.3 42.8,5.5 47.6,5.5 49.2,7.1 64.5,7.1 64.5,5.3 49.3,5.3 47.9,3.9 42.3,3.9 38.7,7.5 29.9,7.5 25,12.4 15.9,12.4 15.9,8.6 13.7,8.6 13.7,10.8 11.7,10.8 11.7,20.847 4.853,27.6 3.8,27.6 3.8,31.6 7.2,31.6 8.1,32.5 8.1,43.5 6.6,43.5 6.6,44.7 8.1,44.7 8.1,45.4 9.3,46.6
+5V_USB on L2 "+5V_USB_L02_P037" (solid, remove dead copper, pour order 37): 5.8,21.9 9,21.9 9,9.2 7.8,9.2 7.8,20.5 5.8,20.5
+3V3 on L2 "+3V3_L02_P036" (solid, remove dead copper, pour order 36): 16.4,10.5 ccw(c136.718,9.45) 16.4,8.4 ccw(c19.6,375.084) 22.8,8.4 ccw(c288.654,269.654) 27.4,3.8 ccw(c31.7,496.531) 36,3.8 36,1.3 38.1,1.3 38.1,5.5 27.3,5.5 23.5,9.3 19.4,9.3 18.2,10.5
+5V on L2 "+5V_L02_P035" (solid, remove dead copper, pour order 35): 0.4,0.5 0.4,4 5.9,4 7.2,5.3 7.2,7.2 9.9,9.9 11.4,9.9 11.4,10.4 13,10.4 13,9.1 13.8,8.3 22.598,8.3 27.8,3.2 27.8,1.1 38.4,1.1 38.8,1.5 38.8,3.3 40.5,3.3 40.5,1.5 39.4,0.4 23.5,0.4
+5V on L1 "+5V_L01_P043" (solid, remove dead copper, pour order 43): 33.9,8.9 36.5,8.9 37.3,8.1 39.099,8.1 40.8,6.399 40.8,1.1 38.8,1.1 38.9,1.2 38.9,7.051 38.45,7.501 36.775,7.501 36.076,8.2 33.9,8.2
+5V/3V3_328P_AVCC on L1 "+5V/3V3_328P_AVCC_L01_P040" (solid, remove dead copper, pour order 40): 40.5,14 42.8,14 42.8,10.549 42.78,10.529 43.829,10.529 43.829,7.948 43.819,7.938 46.581,7.938 46.581,6.619 46.6,6.6 42.8,6.6 42.8,9.135 42.016,9.918 42.016,10.97 40.63,10.97 40.5,11.1
GND on L1 "GND_L01_P049" (solid, remove dead copper, pour order 49): 0,54.2 73.3,54.2 73.3,0 0,0
+5V/3V3 on L1 "+5V/3V3_L01_P048" (solid, remove dead copper, pour order 48): 22.7,45.7 22.7,44.8 23.7,44.8 25.3,43.2 25.3,39.9 26.4,39.9 26.4,45.7
+5V/3V3 on L1 "+5V/3V3_L01_P047" (solid, remove dead copper, pour order 47): 16,47.1 19.4,47.1 19.4,47.5 20.4,47.5 20.4,45.8 17.5,45.8 17.5,43.8 16.9,43.8 15.9,42.8 15.9,40 14.1,40 14.1,40.9 14.6,40.9 14.6,41.7 15.3,42.4 15.3,43.2 16,43.9
+5V_USB on L1 "+5V_USB_L01_P046" (solid, remove dead copper, pour order 46): 0.5,10.3 0.5,8.1 3.8,8.1 3.8,8.7 4,8.9 5.9,8.9 5.9,8.2 7.7,8.2 7.7,9.3 8.9,9.3 8.9,11.4 5.8,11.4 5.8,10.3
+5V on L1 "+5V_L01_P044" (solid, remove dead copper, pour order 44): 0.6,7.1 3.4,7.1 3.4,3.9 8.6,3.9 9.126,4.426 9.126,12.374 9.651,12.9 12.8,12.9 12.8,14.3 14.1,14.3 14.1,16.851 13,17.951 13,20.4 13.8,21.2 16.5,21.2 16.5,24.1 17.4,25 17.4,26.6 17.1,26.9 17.1,27.4 17.7,27.4 18.2,26.9 18.2,25.9 18.7,25.9 18.7,24.9 17.633,23.833 17.266,23.833 17.266,20.434 17.3,20.4 17.2,20.3 14.5,20.3 14.5,18.6 15.6,17.5 15.6,11.7 12.3,11.7 12.3,10.8 13.11,10.8 13.235,10.675 13.235,8.175 10.475,8.175 9.9,7.6 9.9,3.1 8.1,1.3 8.1,0.6 0.6,0.6
+5V/3V3 on L1 "+5V/3V3_L01_P042" (solid, remove dead copper, pour order 42): 7.1,32.3 7.1,31 5.1,31 5.1,29 8.3,29 9.4,27.9 9.4,27.1 8,27.1 8,28 5,28 4,29 4,31.4 4.6,32 6.2,32 6.2,32.3
+5V/3V3 on L1 "+5V/3V3_L01_P041" (solid, remove dead copper, pour order 41): 0.2,53.7 2.7,53.7 2.7,50.7 3.3,50.7 3.3,49.1 1.7,49.1 0.9,48.3 0.9,45.7 2.1,45.7 2.1,44 6.2,44 6.2,44.7 8.1,44.7 8.1,43.4 3.1,43.4 3.1,42.7 2.7,42.7 2.5,42.5 2.5,41.6 0.2,41.6

## Text inside footprints (layer, text, board x,y; h text height)
C1: Top Assembly "+" at 5.067,8.317 h0.7 r90; Top Overlay "+" at 5.067,8.317 h0.7 r90
C2: Top Assembly "+" at 5.067,0.917 h0.7 r90; Top Overlay "+" at 5.067,0.917 h0.7 r90
J1: Top Assembly "1" at 29.4,0.1 h0.8 r90; Top Overlay "1" at 29.4,0.1 h0.8 r90
J2: Top Assembly "1" at 50.7,0.1 h0.8 r90; Top Overlay "1" at 50.7,0.1 h0.8 r90
J3: Top Assembly "1" at 64.87,54.186 h0.8 r270; Top Overlay "1" at 64.87,54.186 h0.8 r270
J4: Top Assembly "1" at 43.305,54.186 h0.8 r270; Top Overlay "1" at 43.305,54.186 h0.8 r270
J5: Top Assembly "1" at 2.626,46.775 h0.7 r90; Top Overlay "1" at 0.458,46.925 h0.7
J6: Top Assembly "1" at 1.881,39.175 h0.7 r90; Top Overlay "1" at 0.738,38.032 h0.7 r90
JP1: Top Assembly "1" at 69.275,49.6 h0.8; Top Overlay "1" at 69.275,49.6 h0.8
JP2: Top Assembly "1" at 3.819,36.665 h0.7 r270; Top Overlay "1" at 4.962,37.808 h0.7 r270
JP3: Top Assembly "1" at 8.614,47.71 h0.8; Top Overlay "1" at 12.525,47.55 h0.8
JP4: Top Assembly "1" at 11.685,7.625 h0.8 r90; Top Overlay "1" at 11.685,7.625 h0.8 r90
U1: Top Overlay "1" at 63.8,21.3 h0.7 r270